# KiCad board oibus-mini-CCC_PANEL.kicad_pcb (continued)
## Routing (per net, layer and track width the routed paths; a pad name or vN(x,y) marks a point on that pad's centre or on a via; arc(x,y) is an arc through that point) (continued)
/SWDSWO: length 319.2
  Top w0.2: U8#2.39 61.39,29.11 59.49,27.21 58.91,27.21 58.71,27.41 56.57,27.41 56.29,27.68 56.19,27.68 P1#2.6 ; U8#4.39 98.39,29.11 96.49,27.21 95.91,27.21 95.71,27.41 93.57,27.41 93.29,27.68 93.19,27.68 P1#4.6 ; U8#3.39 135.39,29.11 133.49,27.21 132.91,27.21 132.71,27.41 130.57,27.41 130.29,27.68 130.19,27.68 P1#3.6 ; U8#6.39 172.39,29.11 170.49,27.21 169.91,27.21 169.71,27.41 167.57,27.41 167.29,27.68 167.19,27.68 P1#6.6 ; U8#5.39 209.39,29.11 207.49,27.21 206.91,27.21 206.71,27.41 204.57,27.41 204.29,27.68 204.19,27.68 P1#5.6 ; U8#7.39 246.39,29.11 244.49,27.21 243.91,27.21 243.71,27.41 241.57,27.41 241.29,27.68 241.19,27.68 P1#8.6 ; U8#8.39 283.39,29.11 281.49,27.21 280.91,27.21 280.71,27.41 278.57,27.41 278.29,27.68 278.19,27.68 P1#7.6 ; U8#11.39 24.39,95.11 22.49,93.21 21.91,93.21 21.71,93.41 19.57,93.41 19.29,93.68 19.19,93.68 P1#10.6 ; U8#13.39 98.39,95.11 96.49,93.21 95.91,93.21 95.71,93.41 93.57,93.41 93.29,93.68 93.19,93.68 P1#14.6 ; U8#9.39 61.39,95.11 59.49,93.21 58.91,93.21 58.71,93.41 56.57,93.41 56.29,93.68 56.19,93.68 P1#9.6 ; U8#10.39 135.39,95.11 133.49,93.21 132.91,93.21 132.71,93.41 130.57,93.41 130.29,93.68 130.19,93.68 P1#13.6 ; U8#12.39 172.39,95.11 170.49,93.21 169.91,93.21 169.71,93.41 167.57,93.41 167.29,93.68 167.19,93.68 P1#12.6 ; U8#14.39 209.39,95.11 207.49,93.21 206.91,93.21 206.71,93.41 204.57,93.41 204.29,93.68 204.19,93.68 P1#11.6 ; U8#16.39 283.39,95.11 281.49,93.21 280.91,93.21 280.71,93.41 278.57,93.41 278.29,93.68 278.19,93.68 P1#15.6 ; U8#15.39 246.39,95.11 244.49,93.21 243.91,93.21 243.71,93.41 241.57,93.41 241.29,93.68 241.19,93.68 P1#16.6 ; U8#25.39 24.39,227.11 22.49,225.21 21.91,225.21 21.71,225.41 19.57,225.41 19.29,225.68 19.19,225.68 P1#24.6 ; U8#29.39 98.39,227.11 96.49,225.21 95.91,225.21 95.71,225.41 93.57,225.41 93.29,225.68 93.19,225.68 P1#30.6 ; P1#23.6 56.19,225.68 56.29,225.68 56.57,225.41 58.71,225.41 58.91,225.21 59.49,225.21 61.39,227.11 U8#21.39 ; U8#24.39 135.39,227.11 133.49,225.21 132.91,225.21 132.71,225.41 130.57,225.41 130.29,225.68 130.19,225.68 P1#29.6 ; U8#28.39 172.39,227.11 170.49,225.21 169.91,225.21 169.71,225.41 167.57,225.41 167.29,225.68 167.19,225.68 P1#28.6 ; U8#19.39 24.39,161.11 22.49,159.21 21.91,159.21 21.71,159.41 19.57,159.41 19.29,159.68 19.19,159.68 P1#18.6 ; U8#22.39 98.39,161.11 96.49,159.21 95.91,159.21 95.71,159.41 93.57,159.41 93.29,159.68 93.19,159.68 P1#22.6 ; U8#17.39 61.39,161.11 59.49,159.21 58.91,159.21 58.71,159.41 56.57,159.41 56.29,159.68 56.19,159.68 P1#17.6 ; U8#18.39 135.39,161.11 133.49,159.21 132.91,159.21 132.71,159.41 130.57,159.41 130.29,159.68 130.19,159.68 P1#21.6 ; U8#20.39 172.39,161.11 170.49,159.21 169.91,159.21 169.71,159.41 167.57,159.41 167.29,159.68 167.19,159.68 P1#20.6 ; U8#23.39 209.39,161.11 207.49,159.21 206.91,159.21 206.71,159.41 204.57,159.41 204.29,159.68 204.19,159.68 P1#19.6 ; U8#27.39 283.39,161.11 281.49,159.21 280.91,159.21 280.71,159.41 278.57,159.41 278.29,159.68 278.19,159.68 P1#25.6 ; U8#26.39 246.39,161.11 244.49,159.21 243.91,159.21 243.71,159.41 241.57,159.41 241.29,159.68 241.19,159.68 P1#26.6 ; U8#30.39 209.39,227.11 207.49,225.21 206.91,225.21 206.71,225.41 204.57,225.41 204.29,225.68 204.19,225.68 P1#27.6 ; U8#32.39 283.39,227.11 281.49,225.21 280.91,225.21 280.71,225.41 278.57,225.41 278.29,225.68 278.19,225.68 P1#31.6 ; U8#31.39 246.39,227.11 244.49,225.21 243.91,225.21 243.71,225.41 241.57,225.41 241.29,225.68 241.19,225.68 P1#32.6 ; P1.6 19.19,27.68 19.29,27.68 19.57,27.41 21.71,27.41 21.91,27.21 22.49,27.21 24.39,29.11 U8.39
/USB_DM: length 1047.9
  Top w0.2: 42.46,13.16 43.05,13.16 43.2,13.01 U10#2.1 44.3,13.36 44.6,13.66 44.6,14.97 45.4,15.77 45.4,25.62 55.53,35.76 U8#2.32 ; 79.46,13.16 80.05,13.16 80.2,13.01 U10#3.1 81.3,13.36 81.6,13.66 81.6,14.97 82.4,15.77 82.4,25.62 92.53,35.76 U8#4.32 ; 116.46,13.16 117.05,13.16 117.2,13.01 U10#4.1 118.3,13.36 118.6,13.66 118.6,14.97 119.4,15.77 119.4,25.62 129.53,35.76 U8#3.32 ; 153.46,13.16 154.05,13.16 154.2,13.01 U10#5.1 155.3,13.36 155.6,13.66 155.6,14.97 156.4,15.77 156.4,25.62 166.53,35.76 U8#6.32 ; 190.46,13.16 191.05,13.16 191.2,13.01 U10#6.1 192.3,13.36 192.6,13.66 192.6,14.97 193.4,15.77 193.4,25.62 203.53,35.76 U8#5.32 ; 227.46,13.16 228.05,13.16 228.2,13.01 U10#8.1 229.3,13.36 229.6,13.66 229.6,14.97 230.4,15.77 230.4,25.62 240.53,35.76 U8#7.32 ; 264.46,13.16 265.05,13.16 265.2,13.01 U10#7.1 266.3,13.36 266.6,13.66 266.6,14.97 267.4,15.77 267.4,25.62 277.53,35.76 U8#8.32 ; 5.46,79.16 6.05,79.16 6.2,79.01 U10#9.1 7.3,79.36 7.6,79.66 7.6,80.97 8.4,81.77 8.4,91.62 18.53,101.76 U8#11.32 ; 79.46,79.16 80.05,79.16 80.2,79.01 U10#11.1 81.3,79.36 81.6,79.66 81.6,80.97 82.4,81.77 82.4,91.62 92.53,101.76 U8#13.32 ; 42.46,79.16 43.05,79.16 43.2,79.01 U10#13.1 44.3,79.36 44.6,79.66 44.6,80.97 45.4,81.77 45.4,91.62 55.53,101.76 U8#9.32 ; 116.46,79.16 117.05,79.16 117.2,79.01 U10#12.1 118.3,79.36 118.6,79.66 118.6,80.97 119.4,81.77 119.4,91.62 129.53,101.76 U8#10.32 ; 153.46,79.16 154.05,79.16 154.2,79.01 U10#14.1 155.3,79.36 155.6,79.66 155.6,80.97 156.4,81.77 156.4,91.62 166.53,101.76 U8#12.32 ; 190.46,79.16 191.05,79.16 191.2,79.01 U10#10.1 192.3,79.36 192.6,79.66 192.6,80.97 193.4,81.77 193.4,91.62 203.53,101.76 U8#14.32 ; 264.46,79.16 265.05,79.16 265.2,79.01 U10#15.1 266.3,79.36 266.6,79.66 266.6,80.97 267.4,81.77 267.4,91.62 277.53,101.76 U8#16.32 ; 227.46,79.16 228.05,79.16 228.2,79.01 U10#16.1 229.3,79.36 229.6,79.66 229.6,80.97 230.4,81.77 230.4,91.62 240.53,101.76 U8#15.32 ; 5.46,211.16 6.05,211.16 6.2,211.01 U10#24.1 7.3,211.36 7.6,211.66 7.6,212.97 8.4,213.77 8.4,223.62 18.53,233.76 U8#25.32 ; 79.46,211.16 80.05,211.16 80.2,211.01 U10#27.1 81.3,211.36 81.6,211.66 81.6,212.97 82.4,213.77 82.4,223.62 92.53,233.76 U8#29.32 ; 42.46,211.16 43.05,211.16 43.2,211.01 U10#29.1 44.3,211.36 44.6,211.66 44.6,212.97 45.4,213.77 45.4,223.62 55.53,233.76 U8#21.32 ; 116.46,211.16 117.05,211.16 117.2,211.01 U10#28.1 118.3,211.36 118.6,211.66 118.6,212.97 119.4,213.77 119.4,223.62 129.53,233.76 U8#24.32 ; 5.46,145.16 6.05,145.16 6.2,145.01 U10#17.1 7.3,145.36 7.6,145.66 7.6,146.97 8.4,147.77 8.4,157.62 18.53,167.76 U8#19.32 ; 79.46,145.16 80.05,145.16 80.2,145.01 U10#19.1 81.3,145.36 81.6,145.66 81.6,146.97 82.4,147.77 82.4,157.62 92.53,167.76 U8#22.32 ; 42.46,145.16 43.05,145.16 43.2,145.01 U10#21.1 44.3,145.36 44.6,145.66 44.6,146.97 45.4,147.77 45.4,157.62 55.53,167.76 U8#17.32 ; 116.46,145.16 117.05,145.16 117.2,145.01 U10#20.1 118.3,145.36 118.6,145.66 118.6,146.97 119.4,147.77 119.4,157.62 129.53,167.76 U8#18.32 ; 153.46,145.16 154.05,145.16 154.2,145.01 U10#22.1 155.3,145.36 155.6,145.66 155.6,146.97 156.4,147.77 156.4,157.62 166.53,167.76 U8#20.32 ; 190.46,145.16 191.05,145.16 191.2,145.01 U10#18.1 192.3,145.36 192.6,145.66 192.6,146.97 193.4,147.77 193.4,157.62 203.53,167.76 U8#23.32 ; 264.46,145.16 265.05,145.16 265.2,145.01 U10#23.1 266.3,145.36 266.6,145.66 266.6,146.97 267.4,147.77 267.4,157.62 277.53,167.76 U8#27.32 ; 227.46,145.16 228.05,145.16 228.2,145.01 U10#25.1 229.3,145.36 229.6,145.66 229.6,146.97 230.4,147.77 230.4,157.62 240.53,167.76 U8#26.32 ; 190.46,211.16 191.05,211.16 191.2,211.01 U10#26.1 192.3,211.36 192.6,211.66 192.6,212.97 193.4,213.77 193.4,223.62 203.53,233.76 U8#30.32 ; 153.46,211.16 154.05,211.16 154.2,211.01 U10#30.1 155.3,211.36 155.6,211.66 155.6,212.97 156.4,213.77 156.4,223.62 166.53,233.76 U8#28.32 ; 227.46,211.16 228.05,211.16 228.2,211.01 U10#32.1 229.3,211.36 229.6,211.66 229.6,212.97 230.4,213.77 230.4,223.62 240.53,233.76 U8#31.32 ; 264.46,211.16 265.05,211.16 265.2,211.01 U10#31.1 266.3,211.36 266.6,211.66 266.6,212.97 267.4,213.77 267.4,223.62 277.53,233.76 U8#32.32 ; 5.46,13.16 6.05,13.16 6.2,13.01 U10.1 7.3,13.36 7.6,13.66 7.6,14.97 8.4,15.77 8.4,25.62 18.53,35.76 U8.32
/USB_DP: length 1063
  Top w0.2: U8#2.33 55.6,35.26 45.82,25.48 45.82,17.15 46.19,16.78 R12#2.2 46,16.02 46,15.81 45,14.81 45,12.79 44.77,12.56 44.3,12.56 U10#2.2 42.46,12.51 ; U8#4.33 92.6,35.26 82.82,25.48 82.82,17.15 83.19,16.78 R12#3.2 83,16.02 83,15.81 82,14.81 82,12.79 81.77,12.56 81.3,12.56 U10#3.2 79.46,12.51 ; 116.46,12.51 U10#4.2 118.3,12.56 118.77,12.56 119,12.79 119,14.81 120,15.81 120,16.02 R12#4.2 120.19,16.78 119.82,17.15 119.82,25.48 129.6,35.26 U8#3.33 ; U8#6.33 166.6,35.26 156.82,25.48 156.82,17.15 157.19,16.78 R12#5.2 157,16.02 157,15.81 156,14.81 156,12.79 155.77,12.56 155.3,12.56 U10#5.2 153.46,12.51 ; U8#5.33 203.6,35.26 193.82,25.48 193.82,17.15 194.19,16.78 R12#6.2 194,16.02 194,15.81 193,14.81 193,12.79 192.77,12.56 192.3,12.56 U10#6.2 190.46,12.51 ; U8#7.33 240.6,35.26 230.82,25.48 230.82,17.15 231.19,16.78 R12#8.2 231,16.02 231,15.81 230,14.81 230,12.79 229.77,12.56 229.3,12.56 U10#8.2 227.46,12.51 ; 264.46,12.51 U10#7.2 266.3,12.56 266.77,12.56 267,12.79 267,14.81 268,15.81 268,16.02 R12#7.2 268.19,16.78 267.82,17.15 267.82,25.48 277.6,35.26 U8#8.33 ; U8#13.33 92.6,101.26 82.82,91.48 82.82,83.15 83.19,82.78 R12#11.2 83,82.02 83,81.81 82,80.81 82,78.79 81.77,78.56 81.3,78.56 U10#11.2 79.46,78.51 ; U8#11.33 18.6,101.26 8.82,91.48 8.82,83.15 9.19,82.78 R12#9.2 9,82.02 9,81.81 8,80.81 8,78.79 7.77,78.56 7.3,78.56 U10#9.2 5.46,78.51 ; 42.46,78.51 U10#13.2 44.3,78.56 44.77,78.56 45,78.79 45,80.81 46,81.81 46,82.02 R12#13.2 46.19,82.78 45.82,83.15 45.82,91.48 55.6,101.26 U8#9.33 ; U8#10.33 129.6,101.26 119.82,91.48 119.82,83.15 120.19,82.78 R12#12.2 120,82.02 120,81.81 119,80.81 119,78.79 118.77,78.56 118.3,78.56 U10#12.2 116.46,78.51 ; U8#12.33 166.6,101.26 156.82,91.48 156.82,83.15 157.19,82.78 R12#14.2 157,82.02 157,81.81 156,80.81 156,78.79 155.77,78.56 155.3,78.56 U10#14.2 153.46,78.51 ; 190.46,78.51 U10#10.2 192.3,78.56 192.77,78.56 193,78.79 193,80.81 194,81.81 194,82.02 R12#10.2 194.19,82.78 193.82,83.15 193.82,91.48 203.6,101.26 U8#14.33 ; U8#15.33 240.6,101.26 230.82,91.48 230.82,83.15 231.19,82.78 R12#16.2 231,82.02 231,81.81 230,80.81 230,78.79 229.77,78.56 229.3,78.56 U10#16.2 227.46,78.51 ; U8#16.33 277.6,101.26 267.82,91.48 267.82,83.15 268.19,82.78 R12#15.2 268,82.02 268,81.81 267,80.81 267,78.79 266.77,78.56 266.3,78.56 U10#15.2 264.46,78.51 ; U8#29.33 92.6,233.26 82.82,223.48 82.82,215.15 83.19,214.78 R12#27.2 83,214.02 83,213.81 82,212.81 82,210.79 81.77,210.56 81.3,210.56 U10#27.2 79.46,210.51 ; 5.46,210.51 U10#24.2 7.3,210.56 7.77,210.56 8,210.79 8,212.81 9,213.81 9,214.02 R12#23.2 9.19,214.78 8.82,215.15 8.82,223.48 18.6,233.26 U8#25.33 ; 42.46,210.51 U10#29.2 44.3,210.56 44.77,210.56 45,210.79 45,212.81 46,213.81 46,214.02 R12#29.2 46.19,214.78 45.82,215.15 45.82,223.48 55.6,233.26 U8#21.33 ; 116.46,210.51 U10#28.2 118.3,210.56 118.77,210.56 119,210.79 119,212.81 120,213.81 120,214.02 R12#28.2 120.19,214.78 119.82,215.15 119.82,223.48 129.6,233.26 U8#24.33 ; U8#28.33 166.6,233.26 156.82,223.48 156.82,215.15 157.19,214.78 R12#30.2 157,214.02 157,213.81 156,212.81 156,210.79 155.77,210.56 155.3,210.56 U10#30.2 153.46,210.51 ; U8#22.33 92.6,167.26 82.82,157.48 82.82,149.15 83.19,148.78 R12#19.2 83,148.02 83,147.81 82,146.81 82,144.79 81.77,144.56 81.3,144.56 U10#19.2 79.46,144.51 ; U8#19.33 18.6,167.26 8.82,157.48 8.82,149.15 9.19,148.78 R12#17.2 9,148.02 9,147.81 8,146.81 8,144.79 7.77,144.56 7.3,144.56 U10#17.2 5.46,144.51 ; 42.46,144.51 U10#21.2 44.3,144.56 44.77,144.56 45,144.79 45,146.81 46,147.81 46,148.02 R12#21.2 46.19,148.78 45.82,149.15 45.82,157.48 55.6,167.26 U8#17.33 ; U8#18.33 129.6,167.26 119.82,157.48 119.82,149.15 120.19,148.78 R12#20.2 120,148.02 120,147.81 119,146.81 119,144.79 118.77,144.56 118.3,144.56 U10#20.2 116.46,144.51 ; U8#20.33 166.6,167.26 156.82,157.48 156.82,149.15 157.19,148.78 R12#22.2 157,148.02 157,147.81 156,146.81 156,144.79 155.77,144.56 155.3,144.56 U10#22.2 153.46,144.51 ; 190.46,144.51 U10#18.2 192.3,144.56 192.77,144.56 193,144.79 193,146.81 194,147.81 194,148.02 R12#18.2 194.19,148.78 193.82,149.15 193.82,157.48 203.6,167.26 U8#23.33 ; U8#26.33 240.6,167.26 230.82,157.48 230.82,149.15 231.19,148.78 R12#25.2 231,148.02 231,147.81 230,146.81 230,144.79 229.77,144.56 229.3,144.56 U10#25.2 227.46,144.51 ; U8#27.33 277.6,167.26 267.82,157.48 267.82,149.15 268.19,148.78 R12#24.2 268,148.02 268,147.81 267,146.81 267,144.79 266.77,144.56 266.3,144.56 U10#23.2 264.46,144.51 ; U8#30.33 203.6,233.26 193.82,223.48 193.82,215.15 194.19,214.78 R12#26.2 194,214.02 194,213.81 193,212.81 193,210.79 192.77,210.56 192.3,210.56 U10#26.2 190.46,210.51 ; U8#32.33 277.6,233.26 267.82,223.48 267.82,215.15 268.19,214.78 R12#31.2 268,214.02 268,213.81 267,212.81 267,210.79 266.77,210.56 266.3,210.56 U10#31.2 264.46,210.51 ; U8#31.33 240.6,233.26 230.82,223.48 230.82,215.15 231.19,214.78 R12#32.2 231,214.02 231,213.81 230,212.81 230,210.79 229.77,210.56 229.3,210.56 U10#32.2 227.46,210.51 ; 5.46,12.51 U10.2 7.3,12.56 7.77,12.56 8,12.79 8,14.81 9,15.81 9,16.02 R12.2 9.19,16.78 8.82,17.15 8.82,25.48 18.6,35.26 U8.33
/~{RESET}: length 2088.3
  Top w0.2: v2(56.5,47.51) 54.4,45.41 54.4,43.52 54.09,43.21 53.79,43.21 53.21,42.63 v2(53.21,41.53) 53.21,41.42 52.5,40.71 U2#2.18 ; v2(45.13,26.88) 45.13,27.27 C18#2.1 46.77,27.81 55.22,36.26 55.56,36.26 v2(55.71,36.4) ; v2(49,26.21) 52.66,26.21 P1#2.1 ; v2(55.88,41.58) 55.88,39.64 v2(56.76,38.76) ; v2(65.44,36.98) 65.67,36.76 U8#2.7 ; v2(57.32,50.33) 57.4,50.41 57.4,52.13 59.4,54.13 59.4,55.51 59.9,56.01 60.67,56.01 ; v2(93.5,47.51) 91.4,45.41 91.4,43.52 91.09,43.21 90.79,43.21 90.21,42.63 v2(90.21,41.53) 90.21,41.42 89.5,40.71 U2#3.18 ; v2(82.13,26.88) 82.13,27.27 C18#4.1 83.77,27.81 92.22,36.26 92.56,36.26 v2(92.71,36.4) ; v2(86,26.21) 89.66,26.21 P1#4.1 ; v2(92.88,41.58) 92.88,39.64 v2(93.76,38.76) ; v2(102.44,36.98) 102.67,36.76 U8#4.7 ; v2(94.32,50.33) 94.4,50.41 94.4,52.13 96.4,54.13 96.4,55.51 96.9,56.01 97.67,56.01 ; U2#4.18 126.5,40.71 127.21,41.42 v2(127.21,41.53) 127.21,42.63 127.79,43.21 128.09,43.21 128.4,43.52 128.4,45.41 v2(130.5,47.51) ; v2(131.32,50.33) 131.4,50.41 131.4,52.13 133.4,54.13 133.4,55.51 133.9,56.01 134.68,56.01 ; v2(119.13,26.88) 119.13,27.27 C18#3.1 120.77,27.81 129.22,36.26 129.56,36.26 v2(129.71,36.4) ; v2(123,26.21) 126.66,26.21 P1#3.1 ; v2(129.88,41.58) 129.88,39.64 v2(130.76,38.76) ; v2(139.44,36.98) 139.67,36.76 U8#3.7 ; v2(167.5,47.51) 165.4,45.41 165.4,43.52 165.09,43.21 164.79,43.21 164.21,42.63 v2(164.21,41.53) 164.21,41.42 163.5,40.71 U2#6.18 ; v2(156.13,26.88) 156.13,27.27 C18#6.1 157.77,27.81 166.22,36.26 166.56,36.26 v2(166.71,36.4) ; v2(160,26.21) 163.66,26.21 P1#6.1 ; v2(166.88,41.58) 166.88,39.64 v2(167.76,38.76) ; v2(176.44,36.98) 176.67,36.76 U8#6.7 ; v2(168.32,50.33) 168.4,50.41 168.4,52.13 170.4,54.13 170.4,55.51 170.9,56.01 171.68,56.01 ; v2(205.32,50.33) 205.4,50.41 205.4,52.13 207.4,54.13 207.4,55.51 207.9,56.01 208.68,56.01 ; v2(204.5,47.51) 202.4,45.41 202.4,43.52 202.09,43.21 201.79,43.21 201.21,42.63 v2(201.21,41.53) 201.21,41.42 200.5,40.71 U2#5.18 ; v2(193.13,26.88) 193.13,27.27 C18#5.1 194.77,27.81 203.22,36.26 203.56,36.26 v2(203.71,36.4) ; v2(197,26.21) 200.66,26.21 P1#5.1 ; v2(203.88,41.58) 203.88,39.64 v2(204.76,38.76) ; v2(213.44,36.98) 213.67,36.76 U8#5.7 ; v2(242.32,50.33) 242.4,50.41 242.4,52.13 244.4,54.13 244.4,55.51 244.9,56.01 245.68,56.01 ; U2#7.18 237.5,40.71 238.21,41.42 v2(238.21,41.53) 238.21,42.63 238.79,43.21 239.09,43.21 239.4,43.52 239.4,45.41 v2(241.5,47.51) ; v2(230.13,26.88) 230.13,27.27 C18#8.1 231.77,27.81 240.22,36.26 240.56,36.26 v2(240.71,36.4) ; v2(234,26.21) 237.66,26.21 P1#8.1 ; v2(240.88,41.58) 240.88,39.64 v2(241.76,38.76) ; v2(250.44,36.98) 250.67,36.76 U8#7.7 ; U2#8.18 274.5,40.71 275.21,41.42 v2(275.21,41.53) 275.21,42.63 275.79,43.21 276.09,43.21 276.4,43.52 276.4,45.41 v2(278.5,47.51) ; v2(267.13,26.88) 267.13,27.27 C18#7.1 268.77,27.81 277.22,36.26 277.56,36.26 v2(277.71,36.4) ; v2(271,26.21) 274.66,26.21 P1#7.1 ; v2(277.88,41.58) 277.88,39.64 v2(278.76,38.76) ; v2(287.44,36.98) 287.67,36.76 U8#8.7 ; v2(279.32,50.33) 279.4,50.41 279.4,52.13 281.4,54.13 281.4,55.51 281.9,56.01 282.68,56.01 ; v2(19.5,113.51) 17.4,111.41 17.4,109.52 17.09,109.21 16.79,109.21 16.21,108.63 v2(16.21,107.53) 16.21,107.42 15.5,106.71 U2#9.18 ; v2(8.13,92.88) 8.13,93.27 C18#10.1 9.77,93.81 18.22,102.26 18.56,102.26 v2(18.71,102.4) ; v2(12,92.21) 15.66,92.21 P1#10.1 ; v2(18.88,107.58) 18.88,105.64 v2(19.76,104.76) ; v2(28.44,102.98) 28.67,102.76 U8#11.7 ; v2(20.32,116.33) 20.4,116.41 20.4,118.13 22.4,120.13 22.4,121.51 22.9,122.01 23.68,122.01 ; v2(93.5,113.51) 91.4,111.41 91.4,109.52 91.09,109.21 90.79,109.21 90.21,108.63 v2(90.21,107.53) 90.21,107.42 89.5,106.71 U2#13.18 ; v2(82.13,92.88) 82.13,93.27 C18#14.1 83.77,93.81 92.22,102.26 92.56,102.26 v2(92.71,102.4) ; v2(86,92.21) 89.66,92.21 P1#14.1 ; v2(92.88,107.58) 92.88,105.64 v2(93.76,104.76) ; v2(102.44,102.98) 102.67,102.76 U8#13.7 ; v2(94.32,116.33) 94.4,116.41 94.4,118.13 96.4,120.13 96.4,121.51 96.9,122.01 97.67,122.01 ; U2#12.18 52.5,106.71 53.21,107.42 v2(53.21,107.53) 53.21,108.63 53.79,109.21 54.09,109.21 54.4,109.52 54.4,111.41 v2(56.5,113.51) ; v2(57.32,116.33) 57.4,116.41 57.4,118.13 59.4,120.13 59.4,121.51 59.9,122.01 60.67,122.01 ; v2(45.13,92.88) 45.13,93.27 C18#9.1 46.77,93.81 55.22,102.26 55.56,102.26 v2(55.71,102.4) ; v2(49,92.21) 52.66,92.21 P1#9.1 ; v2(55.88,107.58) 55.88,105.64 v2(56.76,104.76) ; v2(65.44,102.98) 65.67,102.76 U8#9.7 ; v2(131.32,116.33) 131.4,116.41 131.4,118.13 133.4,120.13 133.4,121.51 133.9,122.01 134.68,122.01 ; v2(130.5,113.51) 128.4,111.41 128.4,109.52 128.09,109.21 127.79,109.21 127.21,108.63 v2(127.21,107.53) 127.21,107.42 126.5,106.71 U2#11.18 ; v2(119.13,92.88) 119.13,93.27 C18#13.1 120.77,93.81 129.22,102.26 129.56,102.26 v2(129.71,102.4) ; v2(123,92.21) 126.66,92.21 P1#13.1 ; v2(129.88,107.58) 129.88,105.64 v2(130.76,104.76) ; v2(139.44,102.98) 139.67,102.76 U8#10.7 ; v2(168.32,116.33) 168.4,116.41 168.4,118.13 170.4,120.13 170.4,121.51 170.9,122.01 171.68,122.01 ; U2#10.18 163.5,106.71 164.21,107.42 v2(164.21,107.53) 164.21,108.63 164.79,109.21 165.09,109.21 165.4,109.52 165.4,111.41 v2(167.5,113.51) ; v2(156.13,92.88) 156.13,93.27 C18#12.1 157.77,93.81 166.22,102.26 166.56,102.26 v2(166.71,102.4) ; v2(160,92.21) 163.66,92.21 P1#12.1 ; v2(166.88,107.58) 166.88,105.64 v2(167.76,104.76) ; v2(176.44,102.98) 176.67,102.76 U8#12.7 ; U2#14.18 200.5,106.71 201.21,107.42 v2(201.21,107.53) 201.21,108.63 201.79,109.21 202.09,109.21 202.4,109.52 202.4,111.41 v2(204.5,113.51) ; v2(193.13,92.88) 193.13,93.27 C18#11.1 194.77,93.81 203.22,102.26 203.56,102.26 v2(203.71,102.4) ; v2(197,92.21) 200.66,92.21 P1#11.1 ; v2(203.88,107.58) 203.88,105.64 v2(204.76,104.76) ; v2(213.44,102.98) 213.67,102.76 U8#14.7 ; v2(205.32,116.33) 205.4,116.41 205.4,118.13 207.4,120.13 207.4,121.51 207.9,122.01 208.68,122.01 ; v2(279.32,116.33) 279.4,116.41 279.4,118.13 281.4,120.13 281.4,121.51 281.9,122.01 282.68,122.01 ; v2(278.5,113.51) 276.4,111.41 276.4,109.52 276.09,109.21 275.79,109.21 275.21,108.63 v2(275.21,107.53) 275.21,107.42 274.5,106.71 U2#16.18 ; v2(267.13,92.88) 267.13,93.27 C18#15.1 268.77,93.81 277.22,102.26 277.56,102.26 v2(277.71,102.4) ; v2(271,92.21) 274.66,92.21 P1#15.1 ; v2(277.88,107.58) 277.88,105.64 v2(278.76,104.76) ; v2(287.44,102.98) 287.67,102.76 U8#16.7 ; v2(240.88,107.58) 240.88,105.64 v2(241.76,104.76) ; v2(240.71,102.4) 240.56,102.26 240.22,102.26 231.77,93.81 C18#16.1 230.13,93.27 v2(230.13,92.88) ; v2(250.44,102.98) 250.67,102.76 U8#15.7 ; v2(241.5,113.51) 239.4,111.41 239.4,109.52 239.09,109.21 238.79,109.21 238.21,108.63 v2(238.21,107.53) 238.21,107.42 237.5,106.71 U2#15.18 ; v2(234,92.21) 237.66,92.21 P1#16.1 ; v2(242.32,116.33) 242.4,116.41 242.4,118.13 244.4,120.13 244.4,121.51 244.9,122.01 245.68,122.01 ; v2(20.32,248.33) 20.4,248.41 20.4,250.13 22.4,252.13 22.4,253.51 22.9,254.01 23.68,254.01 ; U2#23.18 15.5,238.71 16.21,239.42 v2(16.21,239.53) 16.21,240.63 16.79,241.21 17.09,241.21 17.4,241.52 17.4,243.41 v2(19.5,245.51) ; v2(8.13,224.88) 8.13,225.27 C18#24.1 9.77,225.81 18.22,234.26 18.56,234.26 v2(18.71,234.4) ; v2(12,224.21) 15.66,224.21 P1#24.1 ; v2(18.88,239.58) 18.88,237.64 v2(19.76,236.76) ; v2(28.44,234.98) 28.67,234.76 U8#25.7 ; v2(94.32,248.33) 94.4,248.41 94.4,250.13 96.4,252.13 96.4,253.51 96.9,254.01 97.67,254.01 ; U2#29.18 89.5,238.71 90.21,239.42 v2(90.21,239.53) 90.21,240.63 90.79,241.21 91.09,241.21 91.4,241.52 91.4,243.41 v2(93.5,245.51) ; v2(82.13,224.88) 82.13,225.27 C18#30.1 83.77,225.81 92.22,234.26 92.56,234.26 v2(92.71,234.4) ; v2(86,224.21) 89.66,224.21 P1#30.1 ; v2(92.88,239.58) 92.88,237.64 v2(93.76,236.76) ; v2(102.44,234.98) 102.67,234.76 U8#29.7 ; v2(57.32,248.33) 57.4,248.41 57.4,250.13 59.4,252.13 59.4,253.51 59.9,254.01 60.67,254.01 ; v2(56.5,245.51) 54.4,243.41 54.4,241.52 54.09,241.21 53.79,241.21 53.21,240.63 v2(53.21,239.53) 53.21,239.42 52.5,238.71 U2#28.18 ; v2(45.13,224.88) 45.13,225.27 C18#21.1 46.77,225.81 55.22,234.26 55.56,234.26 v2(55.71,234.4) ; v2(49,224.21) 52.66,224.21 P1#23.1 ; v2(55.88,239.58) 55.88,237.64 v2(56.76,236.76) ; v2(65.44,234.98) 65.67,234.76 U8#21.7 ; U2#27.18 126.5,238.71 127.21,239.42 v2(127.21,239.53) 127.21,240.63 127.79,241.21 128.09,241.21 128.4,241.52 128.4,243.41 v2(130.5,245.51) ; v2(131.32,248.33) 131.4,248.41 131.4,250.13 133.4,252.13 133.4,253.51 133.9,254.01 134.68,254.01 ; v2(119.13,224.88) 119.13,225.27 C18#29.1 120.77,225.81 129.22,234.26 129.56,234.26 v2(129.71,234.4) ; v2(123,224.21) 126.66,224.21 P1#29.1 ; v2(129.88,239.58) 129.88,237.64 v2(130.76,236.76) ; v2(139.44,234.98) 139.67,234.76 U8#24.7 ; v2(168.32,248.33) 168.4,248.41 168.4,250.13 170.4,252.13 170.4,253.51 170.9,254.01 171.68,254.01 ; U2#26.18 163.5,238.71 164.21,239.42 v2(164.21,239.53) 164.21,240.63 164.79,241.21 165.09,241.21 165.4,241.52 165.4,243.41 v2(167.5,245.51) ; v2(19.5,179.51) 17.4,177.41 17.4,175.52 17.09,175.21 16.79,175.21 16.21,174.63 v2(16.21,173.53) 16.21,173.42 15.5,172.71 U2#17.18 ; v2(8.13,158.88) 8.13,159.27 C18#18.1 9.77,159.81 18.22,168.26 18.56,168.26 v2(18.71,168.4) ; v2(12,158.21) 15.66,158.21 P1#18.1 ; v2(18.88,173.58) 18.88,171.64 v2(19.76,170.76) ; v2(28.44,168.98) 28.67,168.76 U8#19.7 ; v2(20.32,182.33) 20.4,182.41 20.4,184.13 22.4,186.13 22.4,187.51 22.9,188.01 23.68,188.01 ; v2(93.5,179.51) 91.4,177.41 91.4,175.52 91.09,175.21 90.79,175.21 90.21,174.63 v2(90.21,173.53) 90.21,173.42 89.5,172.71 U2#21.18 ; v2(82.13,158.88) 82.13,159.27 C18#23.1 83.77,159.81 92.22,168.26 92.56,168.26 v2(92.71,168.4) ; v2(86,158.21) 89.66,158.21 P1#22.1 ; v2(92.88,173.58) 92.88,171.64 v2(93.76,170.76) ; v2(102.44,168.98) 102.67,168.76 U8#22.7 ; v2(94.32,182.33) 94.4,182.41 94.4,184.13 96.4,186.13 96.4,187.51 96.9,188.01 97.67,188.01 ; U2#20.18 52.5,172.71 53.21,173.42 v2(53.21,173.53) 53.21,174.63 53.79,175.21 54.09,175.21 54.4,175.52 54.4,177.41 v2(56.5,179.51) ; v2(57.32,182.33) 57.4,182.41 57.4,184.13 59.4,186.13 59.4,187.51 59.9,188.01 60.67,188.01 ; v2(45.13,158.88) 45.13,159.27 C18#17.1 46.77,159.81 55.22,168.26 55.56,168.26 v2(55.71,168.4) ; v2(49,158.21) 52.66,158.21 P1#17.1 ; v2(55.88,173.58) 55.88,171.64 v2(56.76,170.76) ; v2(65.44,168.98) 65.67,168.76 U8#17.7 ; v2(131.32,182.33) 131.4,182.41 131.4,184.13 133.4,186.13 133.4,187.51 133.9,188.01 134.68,188.01 ; v2(130.5,179.51) 128.4,177.41 128.4,175.52 128.09,175.21 127.79,175.21 127.21,174.63 v2(127.21,173.53) 127.21,173.42 126.5,172.71 U2#19.18 ; v2(119.13,158.88) 119.13,159.27 C18#22.1 120.77,159.81 129.22,168.26 129.56,168.26 v2(129.71,168.4) ; v2(123,158.21) 126.66,158.21 P1#21.1 ; v2(129.88,173.58) 129.88,171.64 v2(130.76,170.76) ; v2(139.44,168.98) 139.67,168.76 U8#18.7 ; v2(168.32,182.33) 168.4,182.41 168.4,184.13 170.4,186.13 170.4,187.51 170.9,188.01 171.68,188.01 ; U2#18.18 163.5,172.71 164.21,173.42 v2(164.21,173.53) 164.21,174.63 164.79,175.21 165.09,175.21 165.4,175.52 165.4,177.41 v2(167.5,179.51) ; v2(156.13,158.88) 156.13,159.27 C18#20.1 157.77,159.81 166.22,168.26 166.56,168.26 v2(166.71,168.4) ; v2(160,158.21) 163.66,158.21 P1#20.1 ; v2(166.88,173.58) 166.88,171.64 v2(167.76,170.76) ; v2(176.44,168.98) 176.67,168.76 U8#20.7 ; U2#22.18 200.5,172.71 201.21,173.42 v2(201.21,173.53) 201.21,174.63 201.79,175.21 202.09,175.21 202.4,175.52 202.4,177.41 v2(204.5,179.51) ; v2(193.13,158.88) 193.13,159.27 C18#19.1 194.77,159.81 203.22,168.26 203.56,168.26 v2(203.71,168.4) ; v2(197,158.21) 200.66,158.21 P1#19.1 ; v2(203.88,173.58) 203.88,171.64 v2(204.76,170.76) ; v2(213.44,168.98) 213.67,168.76 U8#23.7 ; v2(205.32,182.33) 205.4,182.41 205.4,184.13 207.4,186.13 207.4,187.51 207.9,188.01 208.68,188.01 ; v2(279.32,182.33) 279.4,182.41 279.4,184.13 281.4,186.13 281.4,187.51 281.9,188.01 282.68,188.01 ; v2(278.5,179.51) 276.4,177.41 276.4,175.52 276.09,175.21 275.79,175.21 275.21,174.63 v2(275.21,173.53) 275.21,173.42 274.5,172.71 U2#25.18 ; v2(267.13,158.88) 267.13,159.27 C18#25.1 268.77,159.81 277.22,168.26 277.56,168.26 v2(277.71,168.4) ; v2(271,158.21) 274.66,158.21 P1#25.1 ; v2(277.88,173.58) 277.88,171.64 v2(278.76,170.76) ; v2(287.44,168.98) 287.67,168.76 U8#27.7 ; v2(240.88,173.58) 240.88,171.64 v2(241.76,170.76) ; v2(240.71,168.4) 240.56,168.26 240.22,168.26 231.77,159.81 C18#26.1 230.13,159.27 v2(230.13,158.88) ; v2(250.44,168.98) 250.67,168.76 U8#26.7 ; v2(241.5,179.51) 239.4,177.41 239.4,175.52 239.09,175.21 238.79,175.21 238.21,174.63 v2(238.21,173.53) 238.21,173.42 237.5,172.71 U2#24.18 ; v2(234,158.21) 237.66,158.21 P1#26.1 ; v2(242.32,182.33) 242.4,182.41 242.4,184.13 244.4,186.13 244.4,187.51 244.9,188.01 245.68,188.01 ; v2(205.32,248.33) 205.4,248.41 205.4,250.13 207.4,252.13 207.4,253.51 207.9,254.01 208.68,254.01 ; v2(204.5,245.51) 202.4,243.41 202.4,241.52 202.09,241.21 201.79,241.21 201.21,240.63 v2(201.21,239.53) 201.21,239.42 200.5,238.71 U2#30.18 ; v2(193.13,224.88) 193.13,225.27 C18#27.1 194.77,225.81 203.22,234.26 203.56,234.26 v2(203.71,234.4) ; v2(197,224.21) 200.66,224.21 P1#27.1 ; v2(203.88,239.58) 203.88,237.64 v2(204.76,236.76) ; v2(213.44,234.98) 213.67,234.76 U8#30.7 ; v2(166.71,234.4) 166.56,234.26 166.22,234.26 157.77,225.81 C18#28.1 156.13,225.27 v2(156.13,224.88) ; v2(176.44,234.98) 176.67,234.76 U8#28.7 ; v2(160,224.21) 163.66,224.21 P1#28.1 ; v2(166.88,239.58) 166.88,237.64 v2(167.76,236.76) ; v2(279.32,248.33) 279.4,248.41 279.4,250.13 281.4,252.13 281.4,253.51 281.9,254.01 282.68,254.01 ; v2(242.32,248.33) 242.4,248.41 242.4,250.13 244.4,252.13 244.4,253.51 244.9,254.01 245.68,254.01 ; U2#31.18 237.5,238.71 238.21,239.42 v2(238.21,239.53) 238.21,240.63 238.79,241.21 239.09,241.21 239.4,241.52 239.4,243.41 v2(241.5,245.51) ; v2(230.13,224.88) 230.13,225.27 C18#32.1 231.77,225.81 240.22,234.26 240.56,234.26 v2(240.71,234.4) ; v2(234,224.21) 237.66,224.21 P1#32.1 ; v2(240.88,239.58) 240.88,237.64 v2(241.76,236.76) ; v2(250.44,234.98) 250.67,234.76 U8#31.7 ; U2#32.18 274.5,238.71 275.21,239.42 v2(275.21,239.53) 275.21,240.63 275.79,241.21 276.09,241.21 276.4,241.52 276.4,243.41 v2(278.5,245.51) ; v2(267.13,224.88) 267.13,225.27 C18#31.1 268.77,225.81 277.22,234.26 277.56,234.26 v2(277.71,234.4) ; v2(271,224.21) 274.66,224.21 P1#31.1 ; v2(277.88,239.58) 277.88,237.64 v2(278.76,236.76) ; v2(287.44,234.98) 287.67,234.76 U8#32.7 ; v2(12,26.21) 15.66,26.21 P1.1 ; v2(19.76,38.76) 18.88,39.64 v2(18.88,41.58) ; U8.7 28.67,36.76 v2(28.44,36.98) ; U2.18 15.5,40.71 16.21,41.42 v2(16.21,41.53) 16.21,42.63 16.79,43.21 17.09,43.21 17.4,43.52 17.4,45.41 v2(19.5,47.51) ; v2(18.71,36.4) 18.56,36.26 18.22,36.26 9.77,27.81 C18.1 8.13,27.27 v2(8.13,26.88) ; v2(20.32,50.33) 20.4,50.41 20.4,52.13 22.4,54.13 22.4,55.51 22.9,56.01 23.68,56.01
  Bottom w0.2: v2(49,26.21) 48.33,26.88 v2(45.13,26.88) ; v2(55.71,36.4) 56.95,37.65 56.95,38.56 v2(56.76,38.76) 57.85,38.76 59.8,36.81 65.27,36.81 v2(65.44,36.98) ; v2(56.5,47.51) 57.32,48.33 v2(57.32,50.33) ; v2(55.88,41.58) 53.26,41.58 v2(53.21,41.53) ; v2(86,26.21) 85.33,26.88 v2(82.13,26.88) ; v2(92.71,36.4) 93.95,37.65 93.95,38.56 v2(93.76,38.76) 94.85,38.76 96.8,36.81 102.27,36.81 v2(102.44,36.98) ; v2(93.5,47.51) 94.32,48.33 v2(94.32,50.33) ; v2(92.88,41.58) 90.26,41.58 v2(90.21,41.53) ; v2(130.5,47.51) 131.32,48.33 v2(131.32,50.33) ; v2(129.88,41.58) 127.26,41.58 v2(127.21,41.53) ; v2(123,26.21) 122.33,26.88 v2(119.13,26.88) ; v2(129.71,36.4) 130.95,37.65 130.95,38.56 v2(130.76,38.76) 131.85,38.76 133.8,36.81 139.27,36.81 v2(139.44,36.98) ; v2(160,26.21) 159.33,26.88 v2(156.13,26.88) ; v2(166.71,36.4) 167.95,37.65 167.95,38.56 v2(167.76,38.76) 168.85,38.76 170.8,36.81 176.27,36.81 v2(176.44,36.98) ; v2(167.5,47.51) 168.32,48.33 v2(168.32,50.33) ; v2(166.88,41.58) 164.26,41.58 v2(164.21,41.53) ; v2(213.44,36.98) 213.27,36.81 207.8,36.81 205.85,38.76 v2(204.76,38.76) 204.95,38.56 204.95,37.65 v2(203.71,36.4) ; v2(197,26.21) 196.33,26.88 v2(193.13,26.88) ; v2(204.5,47.51) 205.32,48.33 v2(205.32,50.33) ; v2(203.88,41.58) 201.26,41.58 v2(201.21,41.53) ; v2(241.5,47.51) 242.32,48.33 v2(242.32,50.33) ; v2(240.88,41.58) 238.26,41.58 v2(238.21,41.53) ; v2(234,26.21) 233.33,26.88 v2(230.13,26.88) ; v2(240.71,36.4) 241.95,37.65 241.95,38.56 v2(241.76,38.76) 242.85,38.76 244.8,36.81 250.27,36.81 v2(250.44,36.98) ; v2(278.5,47.51) 279.32,48.33 v2(279.32,50.33) ; v2(277.88,41.58) 275.26,41.58 v2(275.21,41.53) ; v2(271,26.21) 270.33,26.88 v2(267.13,26.88) ; v2(277.71,36.4) 278.95,37.65 278.95,38.56 v2(278.76,38.76) 279.85,38.76 281.8,36.81 287.27,36.81 v2(287.44,36.98) ; v2(12,92.21) 11.33,92.88 v2(8.13,92.88) ; v2(18.71,102.4) 19.95,103.65 19.95,104.56 v2(19.76,104.76) 20.85,104.76 22.8,102.81 28.27,102.81 v2(28.44,102.98) ; v2(19.5,113.51) 20.32,114.33 v2(20.32,116.33) ; v2(18.88,107.58) 16.26,107.58 v2(16.21,107.53) ; v2(86,92.21) 85.33,92.88 v2(82.13,92.88) ; v2(92.71,102.4) 93.95,103.65 93.95,104.56 v2(93.76,104.76) 94.85,104.76 96.8,102.81 102.27,102.81 v2(102.44,102.98) ; v2(93.5,113.51) 94.32,114.33 v2(94.32,116.33) ; v2(92.88,107.58) 90.26,107.58 v2(90.21,107.53) ; v2(56.5,113.51) 57.32,114.33 v2(57.32,116.33) ; v2(55.88,107.58) 53.26,107.58 v2(53.21,107.53) ; v2(49,92.21) 48.33,92.88 v2(45.13,92.88) ; v2(55.71,102.4) 56.95,103.65 56.95,104.56 v2(56.76,104.76) 57.85,104.76 59.8,102.81 65.27,102.81 v2(65.44,102.98) ; v2(139.44,102.98) 139.27,102.81 133.8,102.81 131.85,104.76 v2(130.76,104.76) 130.95,104.56 130.95,103.65 v2(129.71,102.4) ; v2(123,92.21) 122.33,92.88 v2(119.13,92.88) ; v2(130.5,113.51) 131.32,114.33 v2(131.32,116.33) ; v2(129.88,107.58) 127.26,107.58 v2(127.21,107.53) ; v2(167.5,113.51) 168.32,114.33 v2(168.32,116.33) ; v2(166.88,107.58) 164.26,107.58 v2(164.21,107.53) ; v2(160,92.21) 159.33,92.88 v2(156.13,92.88) ; v2(166.71,102.4) 167.95,103.65 167.95,104.56 v2(167.76,104.76) 168.85,104.76 170.8,102.81 176.27,102.81 v2(176.44,102.98) ; v2(204.5,113.51) 205.32,114.33 v2(205.32,116.33) ; v2(203.88,107.58) 201.26,107.58 v2(201.21,107.53) ; v2(197,92.21) 196.33,92.88 v2(193.13,92.88) ; v2(203.71,102.4) 204.95,103.65 204.95,104.56 v2(204.76,104.76) 205.85,104.76 207.8,102.81 213.27,102.81 v2(213.44,102.98) ; v2(287.44,102.98) 287.27,102.81 281.8,102.81 279.85,104.76 v2(278.76,104.76) 278.95,104.56 278.95,103.65 v2(277.71,102.4) ; v2(271,92.21) 270.33,92.88 v2(267.13,92.88) ; v2(240.71,102.4) 241.95,103.65 241.95,104.56 v2(241.76,104.76) 242.85,104.76 244.8,102.81 250.27,102.81 v2(250.44,102.98) ; v2(278.5,113.51) 279.32,114.33 v2(279.32,116.33) ; v2(277.88,107.58) 275.26,107.58 v2(275.21,107.53) ; v2(234,92.21) 233.33,92.88 v2(230.13,92.88) ; v2(241.5,113.51) 242.32,114.33 v2(242.32,116.33) ; v2(240.88,107.58) 238.26,107.58 v2(238.21,107.53) ; v2(19.5,245.51) 20.32,246.33 v2(20.32,248.33) ; v2(18.88,239.58) 16.26,239.58 v2(16.21,239.53) ; v2(12,224.21) 11.33,224.88 v2(8.13,224.88) ; v2(18.71,234.4) 19.95,235.65 19.95,236.56 v2(19.76,236.76) 20.85,236.76 22.8,234.81 28.27,234.81 v2(28.44,234.98) ; v2(93.5,245.51) 94.32,246.33 v2(94.32,248.33) ; v2(92.88,239.58) 90.26,239.58 v2(90.21,239.53) ; v2(86,224.21) 85.33,224.88 v2(82.13,224.88) ; v2(92.71,234.4) 93.95,235.65 93.95,236.56 v2(93.76,236.76) 94.85,236.76 96.8,234.81 102.27,234.81 v2(102.44,234.98) ; v2(49,224.21) 48.33,224.88 v2(45.13,224.88) ; v2(55.71,234.4) 56.95,235.65 56.95,236.56 v2(56.76,236.76) 57.85,236.76 59.8,234.81 65.27,234.81 v2(65.44,234.98) ; v2(56.5,245.51) 57.32,246.33 v2(57.32,248.33) ; v2(55.88,239.58) 53.26,239.58 v2(53.21,239.53) ; v2(130.5,245.51) 131.32,246.33 v2(131.32,248.33) ; v2(129.88,239.58) 127.26,239.58 v2(127.21,239.53) ; v2(123,224.21) 122.33,224.88 v2(119.13,224.88) ; v2(129.71,234.4) 130.95,235.65 130.95,236.56 v2(130.76,236.76) 131.85,236.76 133.8,234.81 139.27,234.81 v2(139.44,234.98) ; v2(167.5,245.51) 168.32,246.33 v2(168.32,248.33) ; v2(166.88,239.58) 164.26,239.58 v2(164.21,239.53) ; v2(12,158.21) 11.33,158.88 v2(8.13,158.88) ; v2(18.71,168.4) 19.95,169.65 19.95,170.56 v2(19.76,170.76) 20.85,170.76 22.8,168.81 28.27,168.81 v2(28.44,168.98) ; v2(19.5,179.51) 20.32,180.33 v2(20.32,182.33) ; v2(18.88,173.58) 16.26,173.58 v2(16.21,173.53) ; v2(86,158.21) 85.33,158.88 v2(82.13,158.88) ; v2(92.71,168.4) 93.95,169.65 93.95,170.56 v2(93.76,170.76) 94.85,170.76 96.8,168.81 102.27,168.81 v2(102.44,168.98) ; v2(93.5,179.51) 94.32,180.33 v2(94.32,182.33) ; v2(92.88,173.58) 90.26,173.58 v2(90.21,173.53) ; v2(56.5,179.51) 57.32,180.33 v2(57.32,182.33) ; v2(55.88,173.58) 53.26,173.58 v2(53.21,173.53) ; v2(49,158.21) 48.33,158.88 v2(45.13,158.88) ; v2(55.71,168.4) 56.95,169.65 56.95,170.56 v2(56.76,170.76) 57.85,170.76 59.8,168.81 65.27,168.81 v2(65.44,168.98) ; v2(139.44,168.98) 139.27,168.81 133.8,168.81 131.85,170.76 v2(130.76,170.76) 130.95,170.56 130.95,169.65 v2(129.71,168.4) ; v2(123,158.21) 122.33,158.88 v2(119.13,158.88) ; v2(130.5,179.51) 131.32,180.33 v2(131.32,182.33) ; v2(129.88,173.58) 127.26,173.58 v2(127.21,173.53) ; v2(167.5,179.51) 168.32,180.33 v2(168.32,182.33) ; v2(166.88,173.58) 164.26,173.58 v2(164.21,173.53) ; v2(160,158.21) 159.33,158.88 v2(156.13,158.88) ; v2(166.71,168.4) 167.95,169.65 167.95,170.56 v2(167.76,170.76) 168.85,170.76 170.8,168.81 176.27,168.81 v2(176.44,168.98) ; v2(204.5,179.51) 205.32,180.33 v2(205.32,182.33) ; v2(203.88,173.58) 201.26,173.58 v2(201.21,173.53) ; v2(197,158.21) 196.33,158.88 v2(193.13,158.88) ; v2(203.71,168.4) 204.95,169.65 204.95,170.56 v2(204.76,170.76) 205.85,170.76 207.8,168.81 213.27,168.81 v2(213.44,168.98) ; v2(287.44,168.98) 287.27,168.81 281.8,168.81 279.85,170.76 v2(278.76,170.76) 278.95,170.56 278.95,169.65 v2(277.71,168.4) ; v2(271,158.21) 270.33,158.88 v2(267.13,158.88) ; v2(240.71,168.4) 241.95,169.65 241.95,170.56 v2(241.76,170.76) 242.85,170.76 244.8,168.81 250.27,168.81 v2(250.44,168.98) ; v2(278.5,179.51) 279.32,180.33 v2(279.32,182.33) ; v2(277.88,173.58) 275.26,173.58 v2(275.21,173.53) ; v2(234,158.21) 233.33,158.88 v2(230.13,158.88) ; v2(241.5,179.51) 242.32,180.33 v2(242.32,182.33) ; v2(240.88,173.58) 238.26,173.58 v2(238.21,173.53) ; v2(213.44,234.98) 213.27,234.81 207.8,234.81 205.85,236.76 v2(204.76,236.76) 204.95,236.56 204.95,235.65 v2(203.71,234.4) ; v2(197,224.21) 196.33,224.88 v2(193.13,224.88) ; v2(166.71,234.4) 167.95,235.65 167.95,236.56 v2(167.76,236.76) 168.85,236.76 170.8,234.81 176.27,234.81 v2(176.44,234.98) ; v2(204.5,245.51) 205.32,246.33 v2(205.32,248.33) ; v2(203.88,239.58) 201.26,239.58 v2(201.21,239.53) ; v2(160,224.21) 159.33,224.88 v2(156.13,224.88) ; v2(287.44,234.98) 287.27,234.81 281.8,234.81 279.85,236.76 v2(278.76,236.76) 278.95,236.56 278.95,235.65 v2(277.71,234.4) ; v2(241.5,245.51) 242.32,246.33 v2(242.32,248.33) ; v2(240.88,239.58) 238.26,239.58 v2(238.21,239.53) ; v2(234,224.21) 233.33,224.88 v2(230.13,224.88) ; v2(240.71,234.4) 241.95,235.65 241.95,236.56 v2(241.76,236.76) 242.85,236.76 244.8,234.81 250.27,234.81 v2(250.44,234.98) ; v2(278.5,245.51) 279.32,246.33 v2(279.32,248.33) ; v2(277.88,239.58) 275.26,239.58 v2(275.21,239.53) ; v2(271,224.21) 270.33,224.88 v2(267.13,224.88) ; v2(18.71,36.4) 19.95,37.65 19.95,38.56 v2(19.76,38.76) 20.85,38.76 22.8,36.81 28.27,36.81 v2(28.44,36.98) ; v2(12,26.21) 11.33,26.88 v2(8.13,26.88) ; v2(20.32,50.33) 20.32,48.33 v2(19.5,47.51) ; v2(16.21,41.53) 16.26,41.58 v2(18.88,41.58)
